# Allegro board SDHCalFEB.brd (continued)
## Routing (per net, layer and track width the routed paths; a pad name or vN(x,y) marks a point on that pad's centre or on a via; arc(x,y) is an arc through that point) (continued)
; U867.2 v2(238.88,77.01) ; U424.2 v2(98.17,210.5) ; U178.2 v2(164.02,289.51) ; R2234.1 v2(110.42,82.2) ; C1477.2 v1(345.43,320.75) ; R1458.1 v2(178.79,309.4) ; R1938.1 v2(163.02,173.71) ; U674.1 v2(168.54,144.88) ; R1809.1 v2(324.69,198.42) ; C334.1 v2(64.9,278.55) ; 317.59,315.83 v2(319.02,314.4) ; U383.1 v2(227.56,177.9) ; U493.2 v2(88.27,217.13) ; U257.1 v2(81.32,274.07) ; 238.61,155.8 v2(239.56,156.76) ; U1060.7 v1(82.09,339.06) ; R2292.1 v2(274.98,59.23) ; U356.1 v2(176.94,225.49) ; U1056.5 v1(353.82,158.95) ; U306.1 v2(265.4,194.38) ; R1975.1 v2(199.91,172.7) ; R2343.1 v1(214.35,17.91) ; R1931.1 v2(100.43,162.2) ; U113.2 v2(245.16,286.45) ; R1959.1 v2(230.69,163.48) ; R2213.1 v2(240.72,95.98) ; U35.2 v2(263.9,289.73) ; C1113.1 v2(306.09,38.57) ; U613.1 v2(244.67,149.2) ; R2364.1 v2(99.92,42.7) ; U977.1 v2(85.88,95.9) ; TP21.1 v2(202.52,276.33) ; TP21.1 v2(201.63,277.22) ; TP21.1 v2(202.52,278.11) ; TP21.1 v2(203.41,277.22) ; U478.1 v2(86.84,235.03) ; U78.2 v2(193.37,328.83) ; U348.1 v2(246.88,235.03) ; U415.1 v2(107.42,227.04) ; R2240.1 v2(333.75,72.97) ; R1801.1 v2(256.69,214.63) ; U622.2 v2(250.34,133.06) ; U329.1 v2(232.49,254.37) ; R2161.1 v2(110.74,98.43) ; R1789.1 v2(255.74,207.85) ; U299.1 v2(325.75,214.81) ; R1632.1 v2(259.93,262.69) ; R2326.1 v2(271.68,49.91) ; U580.1 v2(327.56,97.94) ; U1042.1 v1(213.63,349.81) ; U424.1 v2(98.17,211.8) ; R2247.1 v2(44.49,72.72) ; R2214.1 v2(230.74,95.98) ; R1070.2 v2(332.4,89.43) ; U221.1 v1(27.83,310.44) ; U800.2 v2(265.52,77.9) ; R2010.1 v2(175.23,139.95) ; U223.2 v2(81.55,307.62) ; U708.1 v2(146.08,97.94) ; C955.2 v2(117.35,115.11) ; C955.2 v2(117.35,112.75) ; C955.2 v2(119.6,112.85) ; U379.1 v2(195.48,184.37) ; U484.1 v2(93.97,228.78) ; 325.95,147.96 v2(325.95,148.92) ; U46.1 v2(273.33,267.1) ; R2250.1 v2(156.35,71.4) ; U200.1 v2(75.51,324.92) ; U725.1 v2(51.3,178.92) ; U524.2 v2(324.08,171.31) ; U896.1 v2(199.23,37.03) ; R1912.1 v2(334.49,172.69) ; U412.2 v2(161.28,237.06) ; U925.1 v2(120.36,76.48) ; TP26.1 v2(145.24,317.22) ; TP26.1 v2(146.13,316.33) ; TP26.1 v2(144.35,316.33) ; TP154.1 v2(247.52,46.11) ; TP154.1 v2(248.41,45.22) ; TP154.1 v2(247.52,44.33) ; TP154.1 v2(246.63,45.22) ; R1886.1 v2(140.72,178.46) ; U148.1 v2(100.29,315.21) ; R488.1 v2(248.57,198.68) ; C1414.2 v1(355.38,139.8) ; U242.1 v2(89.83,289) ; TP70.1 v2(166.55,250.38) ; TP70.1 v2(167.44,249.49) ; TP70.1 v2(166.55,248.6) ; TP70.1 v2(165.66,249.49) ; R1933.1 v2(318.92,150.72) ; U270.2 v2(290.06,258.98) ; U541.1 v2(263.05,147.12) ; U403.2 v2(110.39,250.03) ; U58.1 v2(307.57,257.88) ; U962.1 v1(116.97,25.48) ; C777.2 v2(302.93,118.61) ; C598.2 v2(152.92,200.62) ; U353.2 v2(243.93,228.47) ; R1710.1 v2(160.73,248.42) ; U922.1 v2(122.85,90.4) ; U108.2 v2(179.37,274.04) ; U924.2 v2(104.56,94.03) ; R1558.1 v2(179.82,277.45) ; C769.1 v2(305.22,118.61) ; R1469.1 v2(274.19,309.93) ; U37.2 v2(331.83,287.85) ; U303.2 v2(257.89,195.54) ; U5.1 v2(315.6,324.94) ; 159.28,315.95 v2(160.2,315.04) ; 159.28,315.95 159.41,315.95 ; R1551.1 v2(163.8,278.44) ; R2182.1 v2(70.74,95.98) ; U620.1 v2(184.94,132.23) ; R2183.1 v2(300.74,95.98) ; U902.1 v1(223.65,14.68) ; U954.2 v2(105.51,43.07) ; v2(358.11,107.7) 357.5,108.31 357.5,108.32 ; U370.1 v2(189.94,196.89) ; U69.1 v2(246.13,330.05) ; R2338.1 v1(311.53,26.85) ; R1538.1 v2(178.44,293.65) ; U55.1 v2(287.58,257.88) ; C1289.1 v2(150.66,38.6) ; U865.2 v2(185.54,77.95) ; U740.2 v1(28.07,155.23) ; U174.1 v2(109.02,276.43) ; U966.1 v1(136.09,19.13) ; R2061.1 v2(193.05,129.09) ; U970.1 v2(144.7,33.15) ; U503.2 v2(88.93,205.88) ; U181.2 v2(103.09,270.42) ; U290.1 v2(264.82,221.89) ; TP87.1 v2(52.6,184.21) ; TP87.1 v2(53.49,185.1) ; TP87.1 v2(52.6,185.99) ; TP87.1 v2(51.71,185.1) ; R1982.1 v2(161.24,148.45) ; R1452.1 v2(329.92,312.19) ; U36.1 v2(266.7,289.36) ; TP13.1 v2(205.31,319.82) ; TP13.1 v2(206.2,320.7) ; TP13.1 v2(206.2,318.93) ; TP13.1 v2(207.09,319.82) ; U620.2 v2(183.97,131.54) ; U821.1 v2(257.94,46.81) ; U37.1 v2(330.53,287.85) ; C163.2 v2(237.01,310.98) ; U886.1 v2(177.95,46.81) ; U692.1 v2(97.08,119.86) ; U313.2 v2(284.36,185.39) ; R2316.1 v1(272.72,28.4) ; U265.1 v2(315.54,244.96) ; C77.2 v2(313.43,280.63) ; R1970.1 v2(124.48,162.71) ; U860.2 v2(199.05,76.45) ; R2268.1 v2(259.71,74.45) ; C415.1 v2(299.79,198.62) ; U1002.1 v2(91.03,66.1) ; R1811.1 v2(170.43,202.21) ; R1688.1 v2(325.82,232.23) ; R2104.1 v2(334.48,111.71) ; U588.1 v2(245.49,166.12) ; U170.2 v2(113.41,290.74) ; U229.2 v1(28.66,292) ; R2312.1 v1(287.93,16.48) ; U500.2 v2(37.03,196.66) ; U741.1 v1(16.89,156.69) ; R2244.1 v2(321.23,68.44) ; U798.1 v2(260.61,74.98) ; U765.2 v2(36.42,119.09) ; U86.2 v2(183.01,307.3) ; R1387.1 v2(64.03,332.21) ; C331.1 v2(62.28,317.13) ; U743.1 v2(83.46,148.92) ; R2315.1 v1(31.62,29.97) ; C417.1 v2(306.04,198.46) ; U115.1 v2(198.3,277.11) ; U105.1 v2(193.7,291.82) ; R2196.1 v2(254.5,81.68) ; U736.1 v1(25.58,158.36) ; 77.95,235.86 v2(79.26,234.56) ; U601.1 v2(195.49,156.41) ; U97.2 v2(178.61,298.42) ; U57.1 v2(297.56,257.88) ; U623.2 v2(247.01,138.72) ; R2542.1 v1(382.17,279.6) ; C508.1 v2(225.08,198.55) ; U235.2 v1(26.82,281.67) ; R1770.1 v2(191.72,219.9) ; C1295.2 v2(155.84,44.78) ; U290.2 v2(264.82,220.59) ; R1957.1 v2(320.68,161.9) ; R1977.1 v2(59.93,162.72) ; U147.2 v2(105.55,326.52) ; U144.1 v2(105.86,334.01) ; U987.2 v2(41.54,90.42) ; U302.1 v2(262.41,200.76) ; R1921.1 v2(70.69,163.5) ; U1041.1 v1(262.77,346.72) ; U341.1 v2(196.12,237.31) ; C772.2 v2(301.36,157.06) ; R1411.1 v2(159.92,322.71) ; U1033.2 v1(60.62,25.55) ; U670.2 v2(105.55,157.94) ; C251.2 v2(153.38,279.89) ; U644.2 v2(238.87,97.92) ; R1513.1 v2(326.66,292.93) ; D1.2 v1(348.69,22.81) ; U935.1 v2(108.28,66.08) ; C1213.2 v2(224.01,38.57) ; C1300.2 v2(143.98,38.6) ; U77.1 v2(202.85,330.61) ; U544.1 v2(334.77,150.78) ; U903.2 v1(221.68,25.98) ; R2275.1 v1(68.48,21.31) ; C855.1 v2(229.84,118.5) ; R2075.1 v2(50.72,108.42) ; U968.2 v1(141.16,25.4) ; U880.2 v2(185.52,53.07) ; U848.1 v2(245.49,86.11) ; R2117.1 v2(138.42,114.51) ; R1610.1 v2(171.75,259.9) ; U943.1 v2(99.42,55.34) ; R1877.1 v2(244.02,182.19) ; U158.1 v2(158.12,305.48) ; U217.2 v1(29.01,319.7) ; R1878.1 v2(161.7,179.91) ; R1720.1 v2(43.67,235.98) ; C766.1 v2(302.37,157.06) ; R2033.1 v2(192.5,140.67) ; U15.2 v2(279.01,316.51) ; C950.2 v2(138.74,118.61) ; U177.1 v2(171.34,290.4) ; U303.1 v2(257.89,196.84) ; R1758.1 v2(185.64,226.36) ; R1153.2 v2(251.43,89.23) ; U279.1 v2(271.14,235.56) ; U862.2 v2(185.51,86.46) ; U262.1 v2(332.86,260.5) ; R1677.1 v2(139.91,242.7) ; R1612.1 v2(310.71,258.43) ; U473.2 v2(37.16,239.3) ; U19.1 v2(271.17,315.57) ; U39.1 v2(321.35,290.74) ; 238.13,156.47 v2(239.06,157.4) ; 238.13,156.47 v2(238.13,157.33) ; U557.2 v2(331.33,130.4) ; R2095.1 v2(60.73,98.43) ; U301.2 v2(255.4,204.59) ; U35.1 v2(263.9,291.03) ; R2543.1 v1(383.59,279.6) ; U261.2 v2(329.78,234.14) ; C69.1 v2(306,278.6) ; v1(244.22,356.15) R1351.1 v1(243.43,356.95) ; 325.5,86.8 v2(325.5,87.41) ; U928.1 v2(100.79,75.06) ; R2201.1 v2(124.48,82.7) ; U592.1 v2(225.5,164.9) ; U458.1 v2(85.55,244.91) ; U271.2 v2(283.07,259) ; TP48.1 v2(306.68,237.64) ; TP48.1 v2(307.57,236.75) ; TP48.1 v2(305.79,236.75) ; U551.1 v2(257.1,145.54) ; U286.1 v2(276.83,223.93) ; U771.1 v2(47.58,107.95) ; U199.2 v2(86.03,331.33) ; U192.1 v2(157.15,271.6) ; U724.1 v2(52.85,170.41) ; R2045.1 v2(241.23,134.48) ; C1203.1 v2(225.11,38.6) ; U796.1 v2(275.47,76.4) ; U688.2 v2(166.98,138.54) ; C938.1 v2(140.71,118.61) ; U28.2 v2(328.35,302.06) ; U678.2 v2(168.17,143.62) ; R2267.1 v1(23.5,55.07) ; R1427.1 v2(324.43,312.32) ; C1377.1 v2(65.09,38.57) ; U70.2 v2(236.52,326.87) ; U122.2 v2(217.3,257.86) ; 277.22,113.94 277.09,113.94 v2(276.61,113.46) ; 277.22,113.94 v2(276.72,114.44) ; R1918.1 v2(111.38,173.71) ; U338.1 v2(190.32,251.3) ; R1764.1 v1(21.23,190.48) ; C253.2 v2(139.16,315.28) ; C690.2 v2(63.1,198.59) ; R1417.1 v2(270.41,322.2) ; U983.2 v2(64.01,91.3) ; U686.1 v2(105.71,129.89) ; R1536.1 v2(95.95,270.73) ; U550.2 v2(265.56,143.42) ; U696.1 v2(113.29,107.21) ; R2344.1 v1(134.14,16.33) ; U30.1 v2(266.62,303.86) ; C864.2 v2(222.97,118.58) ; U697.1 v2(170.36,125.88) ; R1944.1 v2(138.43,173.71) ; R1650.1 v2(254.47,252.7) ; U764.1 v2(80.3,117.96) ; v2(330.03,120.37) U567.1 330.3,121.34 v2(330.66,120.98) 331.01,121.34 U567.2 v2(331.33,120.37) ; U583.2 v2(308.52,114.02) ; R1956.1 v2(173.15,163.02) ; R2313.1 v1(207.01,17.88) ; TP104.1 v2(206.71,160.23) ; TP104.1 v2(205.82,159.34) ; TP104.1 v2(205.82,161.12) ; TP104.1 v2(204.93,160.23) ; U541.2 v2(264.35,147.12) ; TP55.1 v2(318.16,209.91) ; TP55.1 v2(319.05,210.79) ; TP55.1 v2(318.16,211.68) ; U143.2 v2(113.36,329.02) ; U188.2 v2(147.41,257.89) ; U249.1 v2(40.33,268.05) ; R1876.1 v2(311.73,179.93) ; R1436.1 v2(134.49,332.66) ; U81.2 v2(196.83,316.37) ; R2076.1 v2(325.95,120.7) ; U836.2 v1(295.2,21.98) ; R1653.1 v2(239.95,249.18) ; U870.2 v2(188.04,64.76) ; D8.2 v1(372.71,281.44) ; R2141.1 v2(161.69,99.91) ; U706.2 v2(128.89,107.95) ; U723.2 v2(64.03,171.33) ; U286.2 v2(275.53,223.93) ; R2238.1 v2(100.42,82.2) ; U786.1 v2(314.05,90.02) ; R2137.1 v2(171.68,104.49) ; U87.1 v2(242.82,317.01) ; U673.2 v2(165.55,154.99) ; U861.2 v2(196.78,76.4) ; U543.2 v2(325.54,155.02) ; U80.1 v2(200.3,316.57) ; R1498.1 v2(194.12,299.77) ; U775.1 v2(87.59,97.94) ; U456.1 v2(89.83,242.37) ; R1443.1 v2(234.49,322.68) ; C167.2 v2(218.76,278.61) ; U509.2 v2(39.11,187.99) ; U444.2 v2(115.47,183.07) ; U220.2 v1(17.73,319.65) ; U531.2 v2(283.07,178.94) ; R1837.1 v2(335.97,189.74) ; U162.2 v2(97.13,298.64) ; C1036.2 v2(58.45,155.86) ; R2298.1 v2(112.47,60.68) ; U332.2 v2(225.53,247.43) ; U968.1 v1(142.46,25.4) ; U82.2 v2(185.57,326.56) ; U448.1 v2(147.58,177.9) ; U434.1 v2(105.38,201.36) ; R1753.1 v2(258.78,225.94) ; U274.2 v2(264.58,254.03) ; TP37.1 v2(64.9,316.38) ; TP37.1 v2(65.79,317.27) ; TP37.1 v2(66.67,316.38) ; U23.1 v2(329.11,310.06) ; U561.2 v2(257.94,125.52) ; U152.2 v2(161.05,317.07) ; U196.2 v2(88.53,322.35) ; C948.2 v2(153.15,120.1) ; R1762.1 v2(196.64,223.85) ; U122.1 v2(216,257.86) ; U280.2 v2(264.07,238) ; U165.2 v2(104.14,290.92) ; U272.1 v2(286.1,247.27) ; R2216.1 v2(119.92,92.71) ; R1402.1 v2(174.5,332.71) ; C589.1 v2(139.74,198.62) ; R2157.1 v2(118.45,100.72) ; U27.2 v2(319.55,309.12) ; C1208.2 v2(235.85,44.78) ; U653.2 v2(166.47,166.81) ; U986.1 v2(44.37,98.91) ; R2336.1 v1(149.12,18.57) ; U579.1 v2(317.58,97.94) ; U607.2 v2(240.86,157.02) ; R1395.1 v2(139.9,322.71) ; R1738.1 v2(193.87,230.69) ; U201.1 v2(74.04,330.03) ; U931.1 v2(101.02,68.02) ; U867.1 v2(241.39,77.01) ; C156.1 v2(226.02,278.52) ; U657.2 v2(145.49,167.42) ; U899.2 v1(199.71,17.42) ; R1388.1 v2(274.7,335.99) ; R2540.1 v1(379.32,279.6) ; U363.2 v2(240.33,213.07) ; U885.2 v2(193.19,52.11) ; 317.71,236.33 v2(317.71,237.82) ; 317.71,236.33 319.1,237.72 v2(319.1,237.77) ; v2(354.6,105.83) 355.14,106.37 R2582.2 ; U593.2 v2(224.03,171.33) ; U848.2 v2(246.46,86.8) ; U421.1 v2(96.98,225.6) ; R1924.1 v2(220.73,176) ; R1993.1 v2(177.78,161.86) ; U990.1 v2(39.85,78.89) ; C866.2 v2(228.86,118.5) ; U723.1 v2(64.03,170.03) ; U425.1 v2(104.85,212.24) ; R2327.1 v2(191.69,49.91) ; U624.1 v2(247.59,136.6) ; U189.1 v2(157.54,257.86) ; U626.2 v2(177.93,125.52) ; C1198.1 v2(219.73,38.6) ; U411.1 v2(103.03,227.1) ; U61.1 v2(326.33,270.38) ; U872.1 v2(254.18,66.07) ; R2124.1 v2(200.68,107.48) ; R2190.1 v2(149.92,82.71) ; R2588.2 v2(345.49,115.25) ; U712.2 v2(160.03,114.05) ; U395.2 v2(155.55,247.43) ; U722.1 v2(65.51,164.9) ; U429.1 v2(168,205.16) ; R2160.1 v2(186.95,102.21) ; U960.1 v2(116.43,40.43) ; R2143.1 v2(311.7,99.91) ; U802.1 v2(321.76,77.01) ; R2101.1 v2(178.42,123.68) ; 51.37,266.32 v2(51.37,265.35) ; C514.2 v2(218.47,235.8) ; U187.2 v2(137.4,257.89) ; U1001.2 v1(32.88,56.95) ; U754.2 v2(90.36,125.98) ; R1482.1 v2(243.74,301.88) ; U167.1 v2(176.5,297.44) ; R1426.1 v2(173.71,315.95) ; R2072.1 v2(333.7,121.4) ; R1569.1 v2(257.34,283.24) ; U295.2 v2(261.06,210.1) ; R2219.1 v2(60.66,83.49) ; U592.2 v2(225.5,167.42) ; U420.2 v2(105.46,223.43) ; U562.1 v2(257.18,120.03) ; U351.1 v2(195.69,219.68) ; U440.2 v2(116.38,199.1) ; U581.1 v2(326.39,110.41) ; R1502.1 v2(192.53,300.67) ; U584.2 v2(307.47,112.84) ; U196.1 v2(89.83,322.35) ; v1(273.06,345.52) C1398.2 v1(273.06,347.17) ; U502.2 v2(90.37,204.59) ; U308.2 v2(329.01,204.38) ; U510.1 v2(47.56,177.93) ; R1552.1 v2(52.22,268.92) ; C767.1 v2(311.93,118.61) ; U682.1 v2(98.68,139.62) ; C1292.1 v2(149.67,38.6) ; U985.1 v2(51.33,98.88) ; U376.1 v2(184.37,190.55) ; R1827.1 v2(98.5,196.11) ; v2(346.95,206.04) R2574.2 v2(346.19,206.83) ; R1568.1 v2(71.73,259.93) ; U174.2 v2(110.93,277.39) ; U299.2 v2(324.45,214.81) ; R2066.1 v2(113.03,134.49) ; U49.2 v2(322.56,277.87) ; U79.1 v2(185.93,334.02) ; v2(346.68,102.59) 346.68,103.45 347.24,104.01 ; R2131.1 v2(258.45,110.7) ; R2059.1 v2(95.98,110.71) ; U307.1 v2(331.34,210.52) ; R1392.1 v2(324.49,322.66) ; U514.2 v2(79.49,178.89) ; U351.2 v2(198.21,219.68) ; D2.2 v1(348.69,26.62) ; U442.1 v2(111.59,178.87) ; R1535.1 v2(113.09,288.29) ; R237.2 v2(172.79,329.41) ; R2299.1 v1(67.89,19.41) ; U919.1 v2(132.86,90.42) ; U534.2 v2(264.58,174.04) ; U781.1 v2(329.84,82.37) ; U661.2 v2(124.55,178.92) ; C157.1 v2(222.34,316.73) ; U163.1 v2(97.89,297.12) ; U445.2 v2(128.84,177.9) ; U962.2 v1(117.66,26.44) ; R1425.1 v2(238.84,310.72) ; R155.1 v2(248.57,277.52) ; U252.1 v2(57.56,257.89) ; U399.1 v2(131.36,250.47) ; R1557.1 v2(259.83,278.44) ; U439.2 v2(159.37,207.98) ; U126.1 v2(246.23,270.41) ; U491.1 v1(16.99,196.84) ; U248.2 v2(44.36,265.4) ; U546.1 v2(275.62,139.4) ; R2254.1 v2(98.01,69.81) ; U1034.2 v1(64.86,22.96) ; U465.2 v2(50,258.93) ; U753.1 v2(85.26,139.5) ; R1618.1 v2(151.74,259.9) ; R1842.1 v2(255.98,190.73) ; R2184.1 v2(60.74,95.98) ; U54.2 v2(273.86,261.56) ; 184.78,212.85 v2(183.82,212.85) ; R1820.1 v2(93.98,182.22) ; R654.1 v2(88.53,198.81) ; U628.2 v2(187.45,114.36) ; U571.1 v2(264.38,110.46) ; U640.1 v2(207.58,97.92) ; R2133.1 v2(97.49,112.2) ; R1725.1 v2(257.59,241.77) ; R1633.1 v2(179.92,262.67) ; U256.2 v2(86.36,269.08) ; R1441.1 v2(243.74,323.44) ; R1400.1 v2(317.47,333.63) ; C1291.1 v2(151.65,38.6) ; R1237.1 v2(168.59,38.18) ; R2152.1 v2(211.68,99.91) ; C340.2 v2(58.75,278.6) ; C513.2 v2(236.65,232.96) ; U417.2 v2(171.73,234.1) ; U407.2 v2(105.53,246.48) ; U608.2 v2(245.53,154.99) ; R2106.1 v2(175.96,110.71) ; U78.1 v2(193.37,330.13) ; R1951.1 v2(95.45,160.73) ; R1455.1 v2(158.93,310.72) ; U678.1 v2(168.17,142.32) ; C601.2 v2(139.15,235.21) ; U762.2 v2(90.4,123.08) ; C1301.2 v2(148.7,38.6) ; R1559.1 v2(111.13,272.32) ; R2325.1 v2(113.61,49.33) ; R1479.1 v2(98.86,313.66) ; U521.2 v2(329.15,161.54) ; C1290.1 v2(145.1,38.6) ; U137.2 v2(146.53,326.88) ; R69.2 v2(317.69,272.06) ; U596.2 v2(203.06,178.92) ; U222.1 v2(98.02,311.72) ; R1489.1 v2(261.01,306.35) ; C1119.2 v2(301.36,77.03) ; U963.1 v1(121.79,26.87) ; U362.1 v2(249.43,215.28) ; R1783.1 v2(162.71,209.91) ; U194.1 v2(147.55,271.53) ; R1803.1 v2(113.04,214.51) ; 356.24,38.02 v1(356.24,39.04) ; U937.1 v2(171.5,66.15) ; U834.2 v1(281.9,17.98) ; R2242.1 v2(169.78,74.49) ; R2208.1 v2(319.92,82.71) ; R1667.1 v2(179.92,251.77) ; R2249.1 v2(236.69,71.4) ; U401.2 v2(123.08,258.93) ; C244.1 v2(142.33,317.05) ; R2296.1 v2(272.49,60.68) ; U705.2 v2(128.89,97.94) ; U394.1 v2(152.5,254.37) ; U535.1 v2(280.33,156.49) ; U960.2 v2(116.43,39.13) ; C590.1 v2(140.73,198.62) ; R1604.1 v2(331.7,264.48) ; 127.59,188.85 v2(127.59,187.88) ; R1428.1 v2(243.92,312.14) ; R1528.1 v1(29.56,271.61) ; C1380.2 v2(61.33,77.03) ; U981.1 v2(74.02,90.02) ; U711.2 v2(166.4,109.11) ; U768.1 v2(43.06,105.51) ; C1205.1 v2(229.73,38.57) ; U256.1 v2(86.36,270.38) ; R404.2 v2(333.01,249.43) ; R2355.1 v2(204.5,38.28) ; U649.1 v2(227.48,111.56) ; TP134.1 v2(280.82,78.9) ; TP134.1 v2(279.93,79.79) ; TP134.1 v2(279.93,78.01) ; TP134.1 v2(279.04,78.9) ; U438.2 v2(168.96,204.38) ; U983.1 v2(64.01,90) ; U914.1 v2(164.03,90.02) ; C1444.2 v2(358.93,175.01) ; U336.1 v2(204.97,258.01) ; U633.2 v2(248.89,125.87) ; U563.2 v2(257.4,113.07) ; R1453.1 v2(318.85,310.72) ; U185.1 v2(123.9,262.86) ; R1608.1 v2(324.02,262.2) ; C1478.2 v1(349.75,236.73) ; TP115.1 v2(119.91,158.43) ; TP115.1 v2(121.69,158.43) ; TP115.1 v2(120.8,159.32) ; TP115.1 v2(120.8,157.54) ; U668.2 v2(102.93,155.12) ; U709.1 v2(157.59,97.94) ; U777.1 v2(81.93,113.06) ; U982.1 v2(65.48,84.87) ; U1032.2 v1(63.56,14.35) ; U760.2 v2(36.7,117) ; U396.1 v2(154.05,250.02) ; R1508.1 v1(22.23,296.24) ; R2322.1 v1(113.23,32.36) ; R1972.1 v2(110.42,162.21) ; R2522.1 v1(379.43,97.15) ; U115.2 v2(199.6,277.11) ; U864.2 v2(190.54,76.43) ; C162.2 v2(221.35,317.16) ; C503.1 v2(220.76,198.6) ; R1454.1 v1(30.3,327.79) ; R1671.1 v2(159.9,242.7) ; R2253.1 v2(177.33,72.06) ; U540.2 v2(265.55,157.94) ; U117.2 v2(194.21,259.61) ; R2024.1 v2(275.5,143.48) ; U68.1 v2(246.58,325.55) ; C337.2 v2(76.05,284.76) ; U656.2 v2(142.47,173.06) ; U160.1 v2(104.6,304.23) ; U840.2 v2(303.11,33.83) ; U996.1 v1(28.76,65.25) ; C421.1 v2(305.05,198.46) ; U606.1 v2(181.01,148.11) ; U425.2 v2(104.85,210.94) ; U710.1 v2(167.62,97.94) ; U386.2 v2(246.35,189.09) ; U721.1 v2(67.38,177.95) ; C82.2 v2(303.11,278.62) ; R1530.1 v2(192.99,288.83) ; U419.1 v2(174.78,224.92) ; U896.2 v2(197.93,37.03) ; C247.1 v2(145.02,278.48) ; R1808.1 v2(58.41,194.5) ; R1467.1 v2(97.64,322.55) ; C1035.2 v2(73.41,120.61) ; U128.1 v2(229.92,274.02) ; R1580.1 v2(41.68,259.93) ; U57.2 v2(298.86,257.88) ; R2562.2 v1(349.01,335) ; U450.2 v2(169.48,178.87) ; U900.1 v1(205.03,21.96) ; C170.2 v2(228.66,278.5) ; U93.1 v2(247.42,304.85) ; U177.2 v2(170.04,290.4) ; U376.2 v2(183.07,190.55) ; U720.1 v2(75.49,164.9) ; U101.2 v2(185.62,287.58) ; 347.24,104.01 v2(347.76,103.49) ; R1723.1 v2(157.62,231.4) ; C1479.2 v1(350,205.77) ; R987.1 v2(88.38,118.24) ; C1211.2 v2(218.75,38.6) ; R2189.1 v2(160.69,81.92) ; U33.1 v2(257.86,296.87) ; R1405.1 v2(73,333.65) ; U667.2 v2(105.53,166.47) ; U560.1 v2(274.62,132.12) ; U96.1 v2(177.42,304.27) ; U173.1 v2(103.69,271.35) ; 237.72,314.6 v2(237.08,313.97) ; 237.72,314.6 237.72,314.76 ; 237.72,314.6 v2(237.72,313.66) ; U773.2 v2(68.87,97.94) ; U444.1 v2(115.47,184.37) ; U433.1 v2(107.52,193.1) ; U278.2 v2(261.71,235.18) ; U341.2 v2(196.81,236.35) ; C1470.2 v1(380.97,292.27) ; U699.2 v2(161.48,117.93) ; C1217.2 v2(237.17,77.6) ; C1217.2 v2(237.17,74.55) ; U853.1 v2(224.03,90.02) ; U206.1 v2(44.37,337.03) ; C680.1 v2(71.87,198.62) ; U940.1 v2(105.69,64.71) ; R2580.2 v1(347.93,221.53) ; U655.1 v2(155.5,164.93) ; U414.1 v2(173.84,231.37) ; 146.09,199.26 v2(146.09,198.56) ; U85.1 v2(186.94,318.05) ; U371.1 v2(193.3,187.12) ; R2068.1 v2(258.43,133.68) ; U232.2 v2(96.52,296.89) ; U998.1 v2(86.84,74.96) ; R1666.1 v2(334.48,241.68) ; U127.1 v2(241.3,273.94) ; R2263.1 v1(24.94,63.75) ; U51.2 v2(263.06,270.54) ; U919.2 v2(131.56,90.42) ; R2115.1 v2(298.45,114.5) ; U524.1 v2(324.08,170.01) ; R2262.1 v2(122.73,76) ; R2277.1 v2(242.93,57.66) ; R1916.1 v2(54.48,172.69) ; R2029.1 v2(194.81,139.3) ; U111.1 v2(193.37,267.13) ; U139.2 v2(131.56,330.53) ; C1297.2 v2(138.46,75.85) ; R1920.1 v2(253.16,163.02) ; C1384.2 v2(59.14,75.19) ; R1474.1 v2(178.87,313.66) ; U964.2 v1(119.7,16.71) ; U911.1 v2(169.84,82.4) ; U899.1 v1(198.41,17.42) ; U873.1 v2(243.02,67.26) ; C1111.1 v2(299.76,38.6) ; U365.1 v2(194.16,212.21) ; U697.2 v2(170.36,124.58) ; R1699.1 v2(253.98,242.26) ; U358.1 v2(177.9,216.83) ; R1657.1 v2(294.48,252.7) ; C510.2 v2(233.29,200.69) ; C515.2 v2(218.76,198.61) ; U371.2 v2(193.99,188.09) ; U219.2 v2(87.57,316.51) ; U630.2 v2(189.81,115.74) ; U164.2 v2(97.84,290.21) ; U266.2 v2(314.05,251.32) ; U701.2 v2(103.09,110.39) ; U457.2 v2(84.89,254.01) ; U927.1 v2(106.8,86.44) ; U692.2 v2(97.08,118.56) ; R2246.1 v2(159.7,69.93) ; U323.1 v2(309.85,194.06) ; U839.1 v1(305.14,22.58) ; R1457.1 v2(259.38,309.17) ; C771.2 v2(317.54,153.48) ; U790.1 v2(291.33,98.88) ; R1385.1 v2(159.77,334.49) ; TP66.1 v2(248.59,217.94) ; TP66.1 v2(249.48,217.05) ; TP66.1 v2(249.48,218.83) ; TP66.1 v2(250.37,217.94) ; U289.1 v2(334.04,220.02) ; U608.1 v2(246.83,154.99) ; U770.1 v2(47.58,97.94) ; C1432.2 v1(354.67,206.83) ; R1950.1 v2(193.68,176) ; U511.1 v2(47.56,187.91) ; R1774.1 v2(179.16,221.47) ; R1974.1 v2(333.75,154.43) 